# Altium PCB Length Bar Comparator.PcbDoc (part 2 of 6)
Units mm, origin at the board's own origin, x right, y up, seen from the top; angles counter-clockwise.
Board outline 299.85 x 245.49 mm, 4 copper layers (Top Layer, Internal Plane 1, Internal Plane 2, Bottom Layer), stack 0.778 mm thick; 462 components, 376 nets, 1824 pads, 805 vias.
Unrouted connection lines stored in the file: 8.
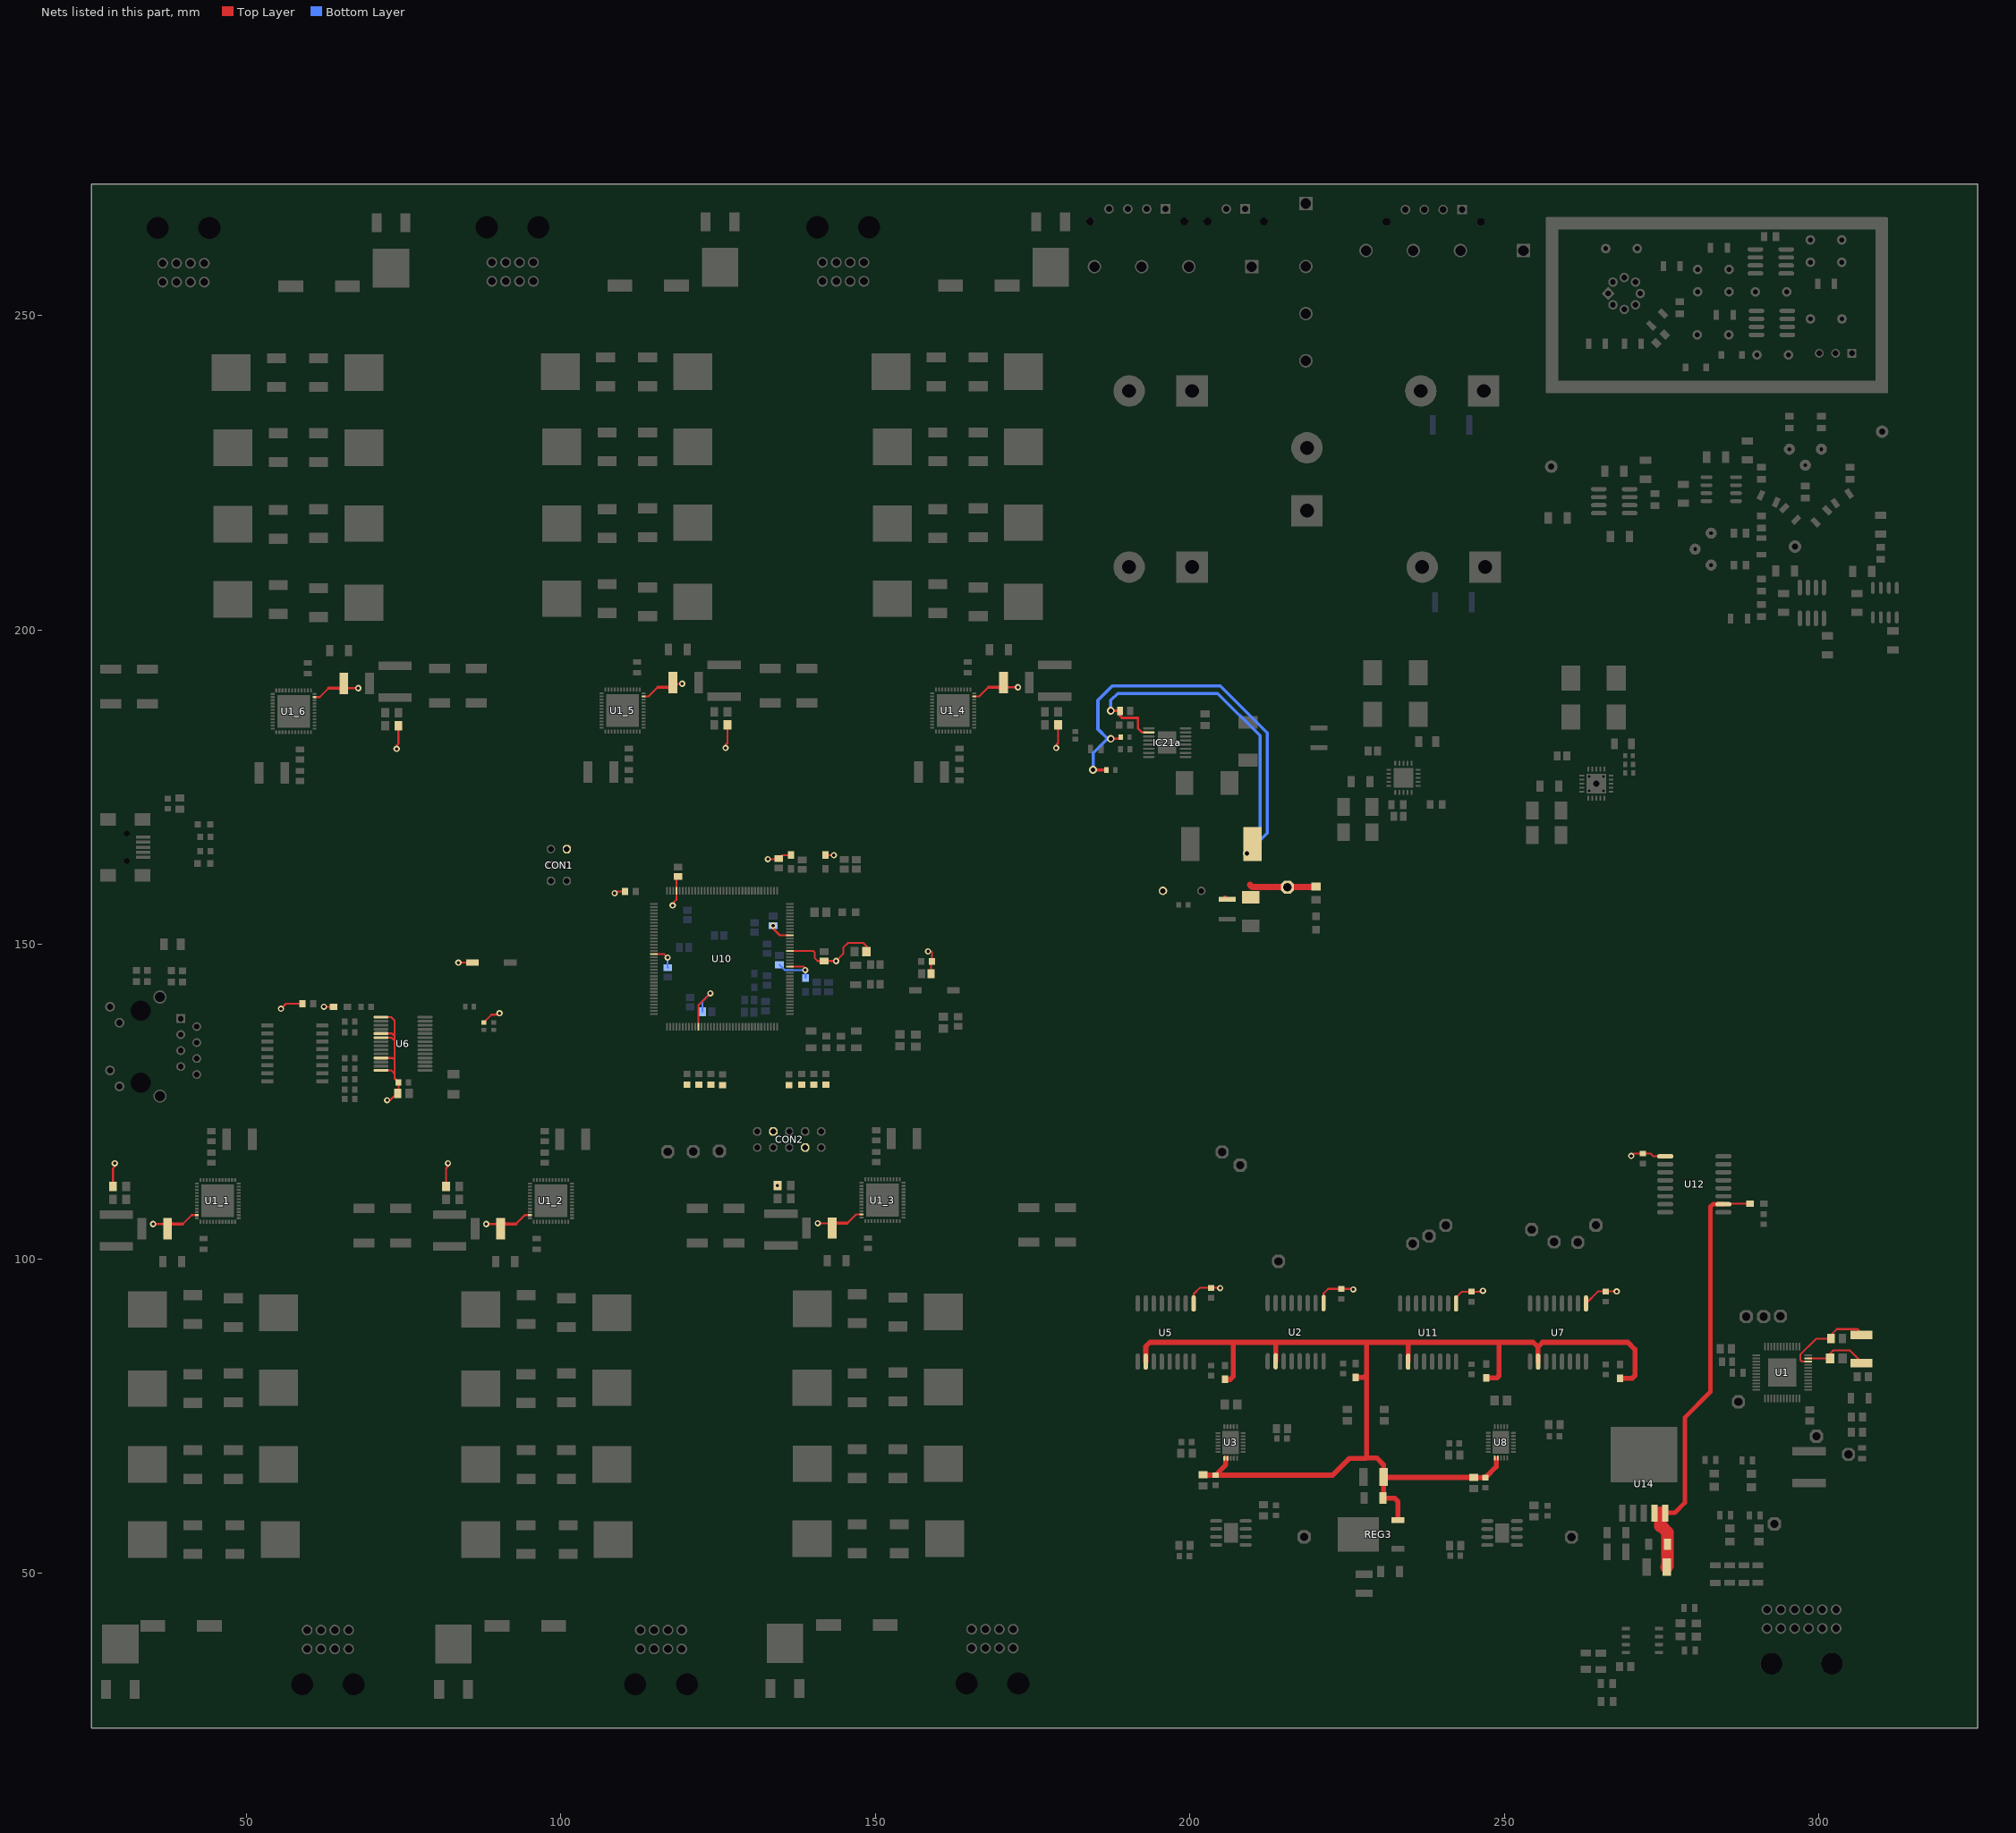
[diagram p4: the nets of this part, all layers, seen from the top]

## Footprints (in the part's own frame and the unit in brackets; to place one, negate y for a bottom-side part, rotate by r counter-clockwise, add the part's x,y. Pads: shape width x height; smd on the part's side, far side on the other; paste and mask are expansions set on the pad) (continued)
LQFP144 [mm] "LQFP144"
  rect 0.3x1.2 smd: 1(-8.75,-10.8) 2(-8.25,-10.8) 3(-7.75,-10.8) 4(-7.25,-10.8) 5(-6.75,-10.8) 6(-6.25,-10.8) 7(-5.75,-10.8) 8(-5.25,-10.8) 9(-4.75,-10.8) 10(-4.25,-10.8) 11(-3.75,-10.8) 12(-3.25,-10.8) 13(-2.75,-10.8) 14(-2.25,-10.8) 15(-1.75,-10.8) 16(-1.25,-10.8) 17(-0.75,-10.8) 18(-0.25,-10.8) 19(0.25,-10.8) 20(0.75,-10.8) 21(1.25,-10.8) 22(1.75,-10.8) 23(2.25,-10.8) 24(2.75,-10.8) 25(3.25,-10.8) 26(3.75,-10.8) 27(4.25,-10.8) 28(4.75,-10.8) 29(5.25,-10.8) 30(5.75,-10.8) 31(6.25,-10.8) 32(6.75,-10.8) 33(7.25,-10.8) 34(7.75,-10.8) 35(8.25,-10.8) 36(8.75,-10.8) 73(8.75,10.8) 74(8.25,10.8) 75(7.75,10.8) 76(7.25,10.8) 77(6.75,10.8) 78(6.25,10.8) 79(5.75,10.8) 80(5.25,10.8) 81(4.75,10.8) 82(4.25,10.8) 83(3.75,10.8) 84(3.25,10.8) 85(2.75,10.8) 86(2.25,10.8) 87(1.75,10.8) 88(1.25,10.8) 89(0.75,10.8) 90(0.25,10.8) 91(-0.25,10.8) 92(-0.75,10.8) 93(-1.25,10.8) 94(-1.75,10.8) 95(-2.25,10.8) 96(-2.75,10.8) 97(-3.25,10.8) 98(-3.75,10.8) 99(-4.25,10.8) 100(-4.75,10.8) 101(-5.25,10.8) 102(-5.75,10.8) 103(-6.25,10.8) 104(-6.75,10.8) 105(-7.25,10.8) 106(-7.75,10.8) 107(-8.25,10.8) 108(-8.75,10.8)
  rect 1.2x0.3 smd: 37(10.8,-8.75) 38(10.8,-8.25) 39(10.8,-7.75) 40(10.8,-7.25) 41(10.8,-6.75) 42(10.8,-6.25) 43(10.8,-5.75) 44(10.8,-5.25) 45(10.8,-4.75) 46(10.8,-4.25) 47(10.8,-3.75) 48(10.8,-3.25) 49(10.8,-2.75) 50(10.8,-2.25) 51(10.8,-1.75) 52(10.8,-1.25) 53(10.8,-0.75) 54(10.8,-0.25) 55(10.8,0.25) 56(10.8,0.75) 57(10.8,1.25) 58(10.8,1.75) 59(10.8,2.25) 60(10.8,2.75) 61(10.8,3.25) 62(10.8,3.75) 63(10.8,4.25) 64(10.8,4.75) 65(10.8,5.25) 66(10.8,5.75) 67(10.8,6.25) 68(10.8,6.75) 69(10.8,7.25) 70(10.8,7.75) 71(10.8,8.25) 72(10.8,8.75) 109(-10.8,8.75) 110(-10.8,8.25) 111(-10.8,7.75) 112(-10.8,7.25) 113(-10.8,6.75) 114(-10.8,6.25) 115(-10.8,5.75) 116(-10.8,5.25) 117(-10.8,4.75) 118(-10.8,4.25) 119(-10.8,3.75) 120(-10.8,3.25) 121(-10.8,2.75) 122(-10.8,2.25) 123(-10.8,1.75) 124(-10.8,1.25) 125(-10.8,0.75) 126(-10.8,0.25) 127(-10.8,-0.25) 128(-10.8,-0.75) 129(-10.8,-1.25) 130(-10.8,-1.75) 131(-10.8,-2.25) 132(-10.8,-2.75) 133(-10.8,-3.25) 134(-10.8,-3.75) 135(-10.8,-4.25) 136(-10.8,-4.75) 137(-10.8,-5.25) 138(-10.8,-5.75) 139(-10.8,-6.25) 140(-10.8,-6.75) 141(-10.8,-7.25) 142(-10.8,-7.75) 143(-10.8,-8.25) 144(-10.8,-8.75)
  body extent -10.1,-10.1 10.1,10.1, height 3.05
LT-FE-16-EPV-BC_M [mm] "SOP, 16-Leads, Body 5.1x4.5mm, Pitch 0.65mm, Thermal Pad 3.58x2.94mm, IPC Low Density"
  oval 1.85x0.35 smd: 1(-2.925,2.275) 2(-2.925,1.625) 3(-2.925,0.975) 4(-2.925,0.325) 5(-2.925,-0.325) 6(-2.925,-0.975) 7(-2.925,-1.625) 8(-2.925,-2.275) 9(2.925,-2.275) 10(2.925,-1.625) 11(2.925,-0.975) 12(2.925,-0.325) 13(2.925,0.325) 14(2.925,0.975) 15(2.925,1.625) 16(2.925,2.275)
  rect 2.94x3.58 smd: 17(0,0)
  silkscreen extent -3.05,-2.55 1.6,3.12, body extent -2.25,-2.55 2.25,2.55, height 1.1
LT-Q-5_L [mm] "DPAK, 5-Leads, Body 10.22x8.89mm, Pitch 1.702mm, IPC High Density"
  rect 2.7x1 smd: 1(-6.2,3.4) 2(-6.2,1.7)
  rect 2.7x1 smd mask+0.1: 3(-6.2,0) 4(-6.2,-1.7) 5(-6.2,-3.4)
  rect 8.8x10.6 smd mask+0.1: 6(3.15,0)
  silkscreen extent -6.32,-5.25 -1.65,5.25, body extent -3.95,-5.27 5.45,5.28, height 4.78
LT-S8-8_M [mm] "SOIC, 8-Leads, Body 4.9x3.9mm, Pitch 1.27mm, IPC Low Density"
  oval 2.5x0.7 smd: 1(-2.45,1.905) 2(-2.45,0.635) 3(-2.45,-0.635) 4(-2.45,-1.905) 5(2.45,-1.905) 6(2.45,-0.635) 7(2.45,0.635) 8(2.45,1.905)
  silkscreen extent -2.57,-2.5 0.8,2.93, body extent -2,-2.5 2,2.5, height 1.76
LUMX-SML-LXT0805_V [mm] "SMD, 2-Leads, Body 2x1.25mm"
  rect 1.2x1.2 smd: 1(-1.05,0) 2(1.05,0)
  silkscreen extent -0.41,-0.63 0.23,2.25, body extent -1,-0.63 1,0.63, height 0.8
MCC-SOD123_V [mil] "SOD123, 2-Leads, Body 2.7x1.6mm, Height 1.35mm"
  rect 35.98x47.99 smd: 1(-64.5,0) 2(64.5,0)
  silkscreen extent -36,-35 31,35, body extent -53,-31 53,31, height 53
MCSM-DO-35-2 [mm] "TH, 2-Leads, Dia 1.665mm, Body 4.065x1.665mm"
  round 1.35 hole 0.85: 1(-3.049,0) 2(3.049,0)
  silkscreen extent -2.03,-0.83 2.03,0.83, body extent -3.33,-0.83 3.33,0.83, height 1.67
ONSC-DPAK-3-369AA-01_V [mm] "DPAK, 3-Leads, Body 6.54x6.095mm, Pitch 2.29mm"
  rect 3x1.6 smd: 1(-4.4,2.29) 3(-4.4,-2.29)
  rect 6.2x5.8 smd: 4(2.8,0)
  silkscreen extent -4.53,-3.27 -0.45,3.76, body extent -1.6,-3.27 4.49,3.27, height 2.47
ONSC-DPAK-3-369C-01_V [mm] "DPAK, 3-Leads, Body 6.54x6.095mm, Pitch 2.29mm"
  rect 3x1.6 smd: 1(-4.4,2.29) 3(-4.4,-2.29)
  rect 6.2x5.8 smd: 4(2.8,0)
  silkscreen extent -4.52,-3.27 -0.45,3.76, body extent -1.6,-3.27 4.49,3.27, height 2.38
ONSC-QFN-48-485AJ-01_V [mm] "QFN, 48-Leads, Body 7x7mm, Pitch 0.5mm, Thermal Pad 5.2x5.2mm"
  rect 0.63x0.3 smd: 1(-3.335,2.75) 2(-3.335,2.25) 3(-3.335,1.75) 4(-3.335,1.25) 5(-3.335,0.75) 6(-3.335,0.25) 7(-3.335,-0.25) 8(-3.335,-0.75) 9(-3.335,-1.25) 10(-3.335,-1.75) 11(-3.335,-2.25) 12(-3.335,-2.75) 25(3.335,-2.75) 26(3.335,-2.25) 27(3.335,-1.75) 28(3.335,-1.25) 29(3.335,-0.75) 30(3.335,-0.25) 31(3.335,0.25) 32(3.335,0.75) 33(3.335,1.25) 34(3.335,1.75) 35(3.335,2.25) 36(3.335,2.75)
  rect 0.3x0.63 smd: 13(-2.75,-3.335) 14(-2.25,-3.335) 15(-1.75,-3.335) 16(-1.25,-3.335) 17(-0.75,-3.335) 18(-0.25,-3.335) 19(0.25,-3.335) 20(0.75,-3.335) 21(1.25,-3.335) 22(1.75,-3.335) 23(2.25,-3.335) 24(2.75,-3.335) 37(2.75,3.335) 38(2.25,3.335) 39(1.75,3.335) 40(1.25,3.335) 41(0.75,3.335) 42(0.25,3.335) 43(-0.25,3.335) 44(-0.75,3.335) 45(-1.25,3.335) 46(-1.75,3.335) 47(-2.25,3.335) 48(-2.75,3.335)
  rect 5.2x5.2 smd: 49(0,0)
  silkscreen extent -4.32,-3.5 3.5,3.5, body extent -3.5,-3.5 3.5,3.5, height 1
ONSC-SMC-2-403-03_V [mil] "Molded, 2-Leads, Body 6.86x5.84mm"
  rect 110x150 smd: 1(-140.49,0) 2(140.49,0)
  silkscreen extent -222,-115 135,115, body extent -135,-115 135,115, height 99
ONSC-TO-92-3-29-11_AM_BL [mm] "TO, 3-Leads, Body Dia 4.7mm, Pitch 2.6mm"
  rect 1.4x1.4 hole 0.9: 1(-2.6,0)
  round 1.4 hole 0.9: 2(0,0) 3(2.6,0)
  silkscreen extent -3.98,-1.34 2.13,2.35, body extent -2.84,-1.34 2.84,2.35, height 5.33
P1-13#1 [mil] "P1-13"
  oct 82.3x82.3 hole 52: TP(0,0)
P1-13#2 [mil] "P1-13"
  oct 82.3x82.3 hole 52: TP(12.01,0)
P1-13#3 [mil] "P1-13"
  oct 82.3x82.3 hole 52: TP(-1.99,0)
P1-13#4 [mil] "P1-13"
  oct 82.3x82.3 hole 52: TP(7.01,0)
PHP0048A_L [mm] "QFP, 48-Leads, Body 7x7mm, Pitch 0.5mm, Thermal Pad 3x3mm, IPC High Density"
  rrect3% 4.5x4.5 smd: 0(0,0)
  rrect33% 1.25x0.3 smd: 1(-4.125,2.75) 2(-4.125,2.25) 3(-4.125,1.75) 4(-4.125,1.25) 5(-4.125,0.75) 6(-4.125,0.25) 7(-4.125,-0.25) 8(-4.125,-0.75) 9(-4.125,-1.25) 10(-4.125,-1.75) 11(-4.125,-2.25) 12(-4.125,-2.75) 25(4.125,-2.75) 26(4.125,-2.25) 27(4.125,-1.75) 28(4.125,-1.25) 29(4.125,-0.75) 30(4.125,-0.25) 31(4.125,0.25) 32(4.125,0.75) 33(4.125,1.25) 34(4.125,1.75) 35(4.125,2.25) 36(4.125,2.75)
  rrect33% 0.3x1.25 smd: 13(-2.75,-4.125) 14(-2.25,-4.125) 15(-1.75,-4.125) 16(-1.25,-4.125) 17(-0.75,-4.125) 18(-0.25,-4.125) 19(0.25,-4.125) 20(0.75,-4.125) 21(1.25,-4.125) 22(1.75,-4.125) 23(2.25,-4.125) 24(2.75,-4.125) 37(2.75,4.125) 38(2.25,4.125) 39(1.75,4.125) 40(1.25,4.125) 41(0.75,4.125) 42(0.25,4.125) 43(-0.25,4.125) 44(-0.75,4.125) 45(-1.25,4.125) 46(-1.75,4.125) 47(-2.25,4.125) 48(-2.75,4.125)
  silkscreen extent -4.25,-3.1 3.1,3.55, body extent -4.51,-4.51 4.51,4.51, height 1.2
PNSC-ZA-G_L [mm] "Aluminum Electrolytic Capacitor, Body 10.30x10.30x10.50mm, IPC High Density"
  rect 3.95x1.9 smd: 1(-4.5,0) 2(4.5,0)
  silkscreen extent -5.25,-5.25 5.25,5.25, body extent -6,-5.25 6,5.25, height 10.5
PUCHBUTTON [mm] "PUCHBUTTON"
  rect 2x1 smd: P$1(3,0) P$2(-3,0)
PULS-J00XXD21XNL-B-12 [mm] "RJ45, 12-Leads, Body 16.26x21.59mm, Pitch 1.27mm"
  rect 1.4x1.4 hole 0.89: 1(4.445,-6.35)
  round 1.4 hole 0.89: 2(3.175,-8.89) 3(1.905,-6.35) 4(0.635,-8.89) 5(-0.635,-6.35) 6(-1.905,-8.89) 7(-3.175,-6.35) 8(-4.445,-8.89)
  round 1.55 hole 1.02: 9(6.325,4.9) 10(3.785,3.38) 11(-3.785,4.9) 12(-6.325,3.38)
  round 0 hole 3.2 unplated: MH1(5.715,0) MH2(-5.715,0)
  round 2.1 hole 1.6: S1(7.875,-3.05) S2(-7.875,-3.05)
  silkscreen extent -8.13,-10.8 8.13,10.79, body extent -8.13,-10.79 8.13,10.8, height 17.13
R0603 [mm] "R0603"
  rect 1x1.1 smd: 1(-0.85,0) 2(0.85,0)
  silkscreen extent -1.14,-0.76 1.14,0.76
R0805 [mm] "R0805"
  rect 1.3x1.5 smd: 1(-0.95,0) 2(0.95,0)
  silkscreen extent -1.4,-1.02 1.4,1.02
RESC0603(1608)_L [mm] "Chip Resistor, Body 1.6x0.8mm, IPC High Density"
  rect 0.7x0.9 smd: 1(-0.7,0) 2(0.7,0)
  silkscreen extent -0.05,-0.35 0.05,0.35, body extent -0.85,-0.47 0.85,0.47, height 0.6
RESC0603(1608)_M [mm] "Chip Resistor, Body 1.6x0.8mm, IPC Low Density"
  rect 1.1x1.1 smd: 1(-0.9,0) 2(0.9,0)
  silkscreen extent -0.05,-0.45 0.05,0.45, body extent -0.85,-0.47 0.85,0.47, height 0.6
RESC0603(1608)_N [mm] "Chip Resistor, Body 1.6x0.8mm, IPC Medium Density"
  rect 0.9x1 smd: 1(-0.8,0) 2(0.8,0)
  silkscreen extent -0.05,-0.4 0.05,0.4, body extent -0.85,-0.47 0.85,0.47, height 0.6
RESC0805(2012)_L [mm] "Chip Resistor, Body 2.0x1.3mm, IPC High Density"
  rect 0.85x1.3 smd: 1(-0.85,0) 2(0.85,0)
  silkscreen extent -0.05,-0.55 0.05,0.55, body extent -1.1,-0.67 1.1,0.68, height 0.7
RESC0805(2012)_M [mm] "Chip Resistor, Body 2.0x1.3mm, IPC Low Density"
  rect 1.25x1.5 smd: 1(-1.05,0) 2(1.05,0)
  silkscreen extent -0.05,-0.65 0.05,0.65, body extent -1.1,-0.67 1.1,0.67, height 0.7
RESC0805(2012)_N [mm] "Chip Resistor, Body 2.0x1.3mm, IPC Medium Density"
  rect 1.05x1.4 smd: 1(-0.95,0) 2(0.95,0)
  silkscreen extent -0.05,-0.6 0.05,0.6, body extent -1.1,-0.67 1.1,0.68, height 0.7
RESC1608X55X25ML10T15 [mm] "Chip Resistor, 2-Leads, Body 1.60x0.80mm, IPC Low Density"
  rect 0.8x1 smd: 1(-0.75,0) 2(0.75,0)
  body extent -0.85,-0.45 0.85,0.45, height 0.55
RESC1608X55X30LL10T20_A [mm] "Chip Resistor, 2-Leads, Body 1.7x0.9mm, IPC High Density"
  rect 0.7x0.8 smd: 1(-0.6,0) 2(0.6,0)
  body extent -0.85,-0.45 0.85,0.45, height 0.55
RESC1608X55X35LL10T10 [mm] "Chip Resistor, 2-Leads, Body 1.7x0.9mm, IPC High Density"
  rect 0.65x0.8 smd: 1(-0.625,0) 2(0.625,0)
  body extent -0.85,-0.45 0.85,0.45, height 0.55
RESC1812(4532)_M [mm] "Chip Resistor, Body 4.5x3.2mm, IPC Low Density"
  rect 1.35x3.5 smd: 1(-2.25,0) 2(2.25,0)
  silkscreen extent -1.2,-1.65 1.2,1.65, body extent -2.35,-1.7 2.35,1.7, height 0.71
RESC3116X65X40LL10T20 [mm] "Chip Resistor, 2-Leads, Body 3.10x1.60mm, IPC High Density"
  rect 0.85x1.6 smd: 1(-1.325,0) 2(1.325,0)
  silkscreen extent -0.5,-0.7 0.5,0.7, body extent -1.6,-0.85 1.6,0.85, height 0.65
RESC6431X65X50LL10T20 [mm] "Chip Resistor, 2-Leads, Body 6.45x3.25mm, IPC High Density"
  rect 0.95x3.15 smd: 1(-2.9,0) 2(2.9,0)
  silkscreen extent -2.05,-1.47 2.05,1.48, body extent -3.22,-1.62 3.23,1.62, height 0.65
RESC6432X89X76LL25T25 [mm] "Chip Resistor, 2-Leads, Body 6.6x3.43mm, IPC High Density"
  rect 1.45x3.35 smd: 1(-2.75,0) 2(2.75,0)
  silkscreen extent -1.65,-1.58 1.65,1.58, body extent -3.3,-1.72 3.3,1.72, height 0.89
RGW0020A_V#1 [mm] "QFN, 20-Leads, Body 5x5mm, Pitch 0.65mm, Thermal Pad 3.15x3.15mm, TI Recommended"
  rrect33% 0.75x0.3 smd: 1(-2.325,1.3) 2(-2.325,0.65) 3(-2.325,0) 4(-2.325,-0.65) 5(-2.325,-1.3) 11(2.325,-1.3) 12(2.325,-0.65) 13(2.325,0) 14(2.325,0.65) 15(2.325,1.3)
  rrect33% 0.3x0.75 smd: 6(-1.3,-2.325) 7(-0.65,-2.325) 8(0,-2.325) 9(0.65,-2.325) 10(1.3,-2.325) 16(1.3,2.325) 17(0.65,2.325) 18(0,2.325) 19(-0.65,2.325) 20(-1.3,2.325)
  round 0.762 hole 0.381: 7(-1.143,-1.143) 7(-1.143,1.143) 7(1.143,-1.143) 7(1.143,1.143)
  rrect3% 3.15x3.15 smd paste-1.575: 7(0,0)
  round 1.5 hole 1: 7(0,0)
  silkscreen extent -2.73,-2.73 2.73,2.73, body extent -2.58,-2.57 2.57,2.58, height 1.01
RGW0020A_V#2 [mm] "QFN, 20-Leads, Body 5x5mm, Pitch 0.65mm, Thermal Pad 3.15x3.15mm, TI Recommended"
  rrect33% 0.75x0.3 smd: 1(-2.325,1.3) 2(-2.325,0.65) 3(-2.325,0) 4(-2.325,-0.65) 5(-2.325,-1.3) 11(2.325,-1.3) 12(2.325,-0.65) 13(2.325,0) 14(2.325,0.65) 15(2.325,1.3)
  rrect33% 0.3x0.75 smd: 6(-1.3,-2.325) 7(-0.65,-2.325) 8(0,-2.325) 9(0.65,-2.325) 10(1.3,-2.325) 16(1.3,2.325) 17(0.65,2.325) 18(0,2.325) 19(-0.65,2.325) 20(-1.3,2.325)
  rrect3% 3.15x3.15 smd paste-1.575: 21(0,0)
  silkscreen extent -2.73,-2.73 2.73,2.73, body extent -2.58,-2.57 2.57,2.58, height 1.01
SO8_L [mm] "SOIC, 8-Leads, Body 4.9x3.9mm, Pitch 1.27mm, IPC High Density"
  oval 1.9x0.6 smd: 1(-2.35,1.905) 2(-2.35,0.635) 3(-2.35,-0.635) 4(-2.35,-1.905) 5(2.35,-1.905) 6(2.35,-0.635) 7(2.35,0.635) 8(2.35,1.905)
  silkscreen extent -2.47,-2.5 1,2.88, body extent -2,-2.5 2,2.5, height 1.75
SSOP-SS28_M [mm] "SOP, 28-Leads, Body 10.2x5.2mm, Pitch 0.65mm, IPC Low Density"
  oval 2.4x0.45 smd: 1(-3.5,4.225) 2(-3.5,3.575) 3(-3.5,2.925) 4(-3.5,2.275) 5(-3.5,1.625) 6(-3.5,0.975) 7(-3.5,0.325) 8(-3.5,-0.325) 9(-3.5,-0.975) 10(-3.5,-1.625) 11(-3.5,-2.275) 12(-3.5,-2.925) 13(-3.5,-3.575) 14(-3.5,-4.225) 15(3.5,-4.225) 16(3.5,-3.575) 17(3.5,-2.925) 18(3.5,-2.275) 19(3.5,-1.625) 20(3.5,-0.975) 21(3.5,-0.325) 22(3.5,0.325) 23(3.5,0.975) 24(3.5,1.625) 25(3.5,2.275) 26(3.5,2.925) 27(3.5,3.575) 28(3.5,4.225)
  silkscreen extent -3.63,-5.25 1.9,5.25, body extent -2.8,-5.25 2.8,5.25, height 2
TECO-1734035-2-5_V [mm] "SMD, 5-Leads, Body 9.9x9.2mm, Pitch 0.8mm"
  rect 0.5x2.3 smd: 1(-1.6,0) 2(-0.8,0) 3(0,0) 4(0.8,0) 5(1.6,0)
  rect 2x2.5 smd: 6(-4.45,-0.1) 7(4.45,-0.1) 8(-4.45,-5.6) 9(4.45,-5.6)
  round 0.6 hole 0.9 unplated: 10(-2.2,-2.6) 11(2.2,-2.6)
  silkscreen extent -4.95,-6.25 4.95,2.95, body extent -4.95,-6.25 4.95,2.95, height 4.09
"Test Point" [mm]
  round 2 hole 1: 1(0,0)
  silkscreen extent -2.27,-2.27 2.27,2.26
TO-252_N [mm] "D-PAK, 4-Leads, Body 6.1x6.5mm, Pitch 2.28mm, Lead Span 9.7mm, IPC Medium Density"
  rect 2.1x0.95 smd: 1(-4.25,2.28) 3(-4.25,-2.28)
  rect 6.5x5.5 smd: 4(2.05,0)
  silkscreen extent -4.38,-3.3 -1.6,3.43, body extent -2,-3.3 4.2,3.3, height 2.4
TrimPot [mil]
  round 70 hole 23.62 mask+5: 1(-100,100.12) 2(100,100.12) 3(0,0.12)
  silkscreen extent -197,-83 197,177
WE-PD-LS [mm] "SMD Inductor, 2-Leads, Body 12.0 x 12.0 mm"
  rect 2.9x5.4 smd: 1(-4.95,0) 2(4.95,0)
  silkscreen extent -6.25,-6.25 6.25,6.25, body extent -6,-6 6,6, height 4.49

## Part data
C1 C4 C7 C9 C11 C12 C14 C33 C46 C47 C51 C53 C54 C55 C60 C62 C65 C66 C68 C71 C72 C73 C79 C110: library part CMP-1035-02587-1, "CAP 100nF 25V ±5% 0603 (1608 Metric) Thickness 1mm SMD", Case-EIA=0603, Case-Metric=1608, Rated Voltage="25 V", Tolerance=±5%, Max Thickness="1 mm", Technology=SMT
C1_1 C1_2 C1_3 C1_4 C1_5 C1_6: library part CMP-2000-06221-1, "Conductive Polymer Hybrid Aluminum Electrolytic Capacitor, 100 uF, +/- 20%, 50 V, -55 to 105 degC, 2-Pin SMD (G), RoHS, Tape and Reel", Capacitance=100uF, Case Diameter=10mm, Case Height=10.5mm, Case Length=10.2mm, Manufacturer=Panasonic, Maximum Operating Temperature=+105C, Minimum Operating Temperature=-55C, Package Description="2-Pin Surface Mount Device, Body 10.3 x 10.3 mm", Package Reference=ZA-G, Ripple Current=2A, Tolerance=20%, Voltage Rating DC=50V, Brand=Panasonic, Datasheet URL=https://industrial.panasonic.com/cdbs/www-data/pdf/RDD0000/DMD0000COL56.pdf, Datasheet Version=06/2016, ESR=28mOhms, Factory Pack Quantity=500, Height=10.5mm, Load Life=10000Hour, Manufacturer URL=http://www.panasonic.com/, Mounting Technology=SurfaceMount, Packaging=Reel, Product=AluminumElectrolyticCapacitors, Product Category=AluminumOrganicPolymerCapacitors, RoHS=Details, Series=ZA, Termination Style=SMD/SMT
C2 C3 C8 C10 C13 C32 C52 C56 C58 C59 C61 C63 C67 C70: library part CMP-1036-04921-1, "CAP 10uF 6.3V -20% to +80% 0805 (2012 Metric) Thickness 1.45mm SMD", Case-EIA=0805, Case-Metric=2012, Rated Voltage="6.3 V", Tolerance="-20% to +80%", Max Thickness="1.45 mm", Technology=SMT
C2_1 C2_2 C2_3 C2_4 C2_5 C2_6 C3_1 C3_2 C3_3 C3_4 C3_5 C3_6: library part CMP-1036-04556-1, "CAP 220nF 50V -20% to +80% 0805 (2012 Metric) Thickness 0.75mm SMD", Case-EIA=0805, Case-Metric=2012, Rated Voltage="50 V", Tolerance="-20% to +80%", Max Thickness="0.75 mm", Technology=SMT
C4_1 C4_2 C4_3 C4_4 C4_5 C4_6 C5_1 C5_2 C5_3 C5_4 C5_5 C5_6: library part CMP-1040-01292-1, "CAP 100nF 50V ±20% 1812 (4532 Metric) Thickness 1.1mm SMD", Case-EIA=1812, Case-Metric=4532, Rated Voltage="50 V", Tolerance=±20%, Max Thickness="1.1 mm", Technology=SMT
C5 C57: library part CMP-1036-00839-1, "CAP 10pF 25V ±0.25pF 0805 (2012 Metric) Thickness 1mm SMD", Case-EIA=0805, Case-Metric=2012, Rated Voltage="25 V", Tolerance=±0.25pF, Max Thickness="1 mm", Technology=SMT
C6 C15 C16 C17 C18 C19 C20 C21 C22 C23 C24 C25 C26 C27 C29 C30 C37 C38 C39 C40 C41 C42 C43 C48 C49 C50: library part C-USC0805, "CAPACITOR, American symbol"
C6_1 C6_2 C6_3 C6_4 C6_5 C6_6: library part CMP-1037-02447-1, "CAP 1nF 50V ±2% 1206 (3216 Metric) Thickness 1.7mm SMD", Case-EIA=1206, Case-Metric=3216, Rated Voltage="50 V", Tolerance=±2%, Max Thickness="1.7 mm", Technology=SMT
C7_1 C7_2 C7_3 C7_4 C7_5 C7_6 C82: library part CMP-1042-00755-1, "CAP 4.7uF 50V ±10% 2220 (5750 Metric) Thickness 2.2mm SMD", Case-EIA=2220, Case-Metric=5750, Rated Voltage="50 V", Tolerance=±10%, Max Thickness="2.2 mm", Technology=SMT
C28 C34: library part CMP-2000-06016-1, "Chip Capacitor, 470 nF, +/- 10%, 50 V, -55 to 125 degC, 1206 (3216 Metric), RoHS, Tape and Reel", Capacitance=0.47uF, Capacitance - nF=470nF, Capacitance - pF=470000pF, Case Code - in=1206, Case Code - mm=3216, Case Height=0.9mm, Case Length=3.2mm, Case Width=1.6mm, Dielectric=X7R, Manufacturer=Kemet, Maximum Operating Temperature=+125C, Minimum Operating Temperature=-55C, Operating Temperature Range=-55Cto+125C, Package / Case=1206(3216metric), Package Description="2-Pin Surface Mount Device, Body 3.2 x 1.6 mm", Temperature Coefficient / Code=+/-15%, Tolerance=10%, Voltage Rating=50V, =C1206C474K5RAC7800, Brand=Kemet, Class=2, Datasheet URL=http://www.kemet.com/docfinder?Partnumber=C1206C106K8RACTU, Datasheet Version=02/2016, Dimensions=1.6mmWx3.2mmLx0.9mmH, Factory Pack Quantity=4000, Manufacturer URL=http://www.kemet.com/, Mounting Technology=SurfaceMount, Package Reference=1206, Packaging=Reel, Product=GeneralTypeMLCCs, Product Category=MultilayerCeramicCapacitorsMLCC-SMD/SMT, RoHS=Details, Series=C1206C, Termination Style=SMD/SMT, Type=SMDMLCCsX7R,Commercial, Voltage Rating DC=50V
C31: library part CMP-1036-03827-1, "CAP 10nF 25V ±5% 0805 (2012 Metric) Thickness 0.75mm SMD", Case-EIA=0805, Case-Metric=2012, Rated Voltage="25 V", Tolerance=±5%, Max Thickness="0.75 mm", Technology=SMT
C35 C80 C81 C83 C85 C86: library part CMP-1036-04415-1, "CAP 100nF 25V -20% to +80% 0805 (2012 Metric) Thickness 0.75mm SMD", Case-EIA=0805, Case-Metric=2012, Rated Voltage="25 V", Tolerance="-20% to +80%", Max Thickness="0.75 mm", Technology=SMT
C36 C74 C76 C77: library part CMP-1037-04001-1, "CAP 47nF 100V ±20% 1206 (3216 Metric) Thickness 1mm SMD", Case-EIA=1206, Case-Metric=3216, Rated Voltage="100 V", Tolerance=±20%, Max Thickness="1 mm", Technology=SMT
C44 C45: library part C-USC1206, "CAPACITOR, American symbol"
C64: library part CMP-1037-04965-1, "CAP 10uF 6.3V -20% to +80% 1206 (3216 Metric) Thickness 1.9mm SMD", Case-EIA=1206, Case-Metric=3216, Rated Voltage="6.3 V", Tolerance="-20% to +80%", Max Thickness="1.9 mm", Technology=SMT
C69: library part CMP-2000-05469-1, "Chip Capacitor, 1 nF, +/- 10%, 2000 V, -55 to 125 degC, 1206 (3216 Metric), RoHS, Tape and Reel", Capacitance=1nF, Case Size/Dimension=1206, Dielectric=X7R, Manufacturer=AVX, Package Description="2-Pin Surface Mount Device, Body 3.3 x 1.7 mm", Rated Voltage=2000V, Tolerance (%)=±10%, Datasheet URL=http://datasheets.avx.com/HV-FlexitermMLCC.pdf, Datasheet Version=01/2016, Manufacturer URL=http://www.avx.com/, Mounting Technology=SurfaceMount, Package Reference=1206